# Altium PCB RMP_MAIN_PCB.PcbDoc (part 1 of 2) (continued)
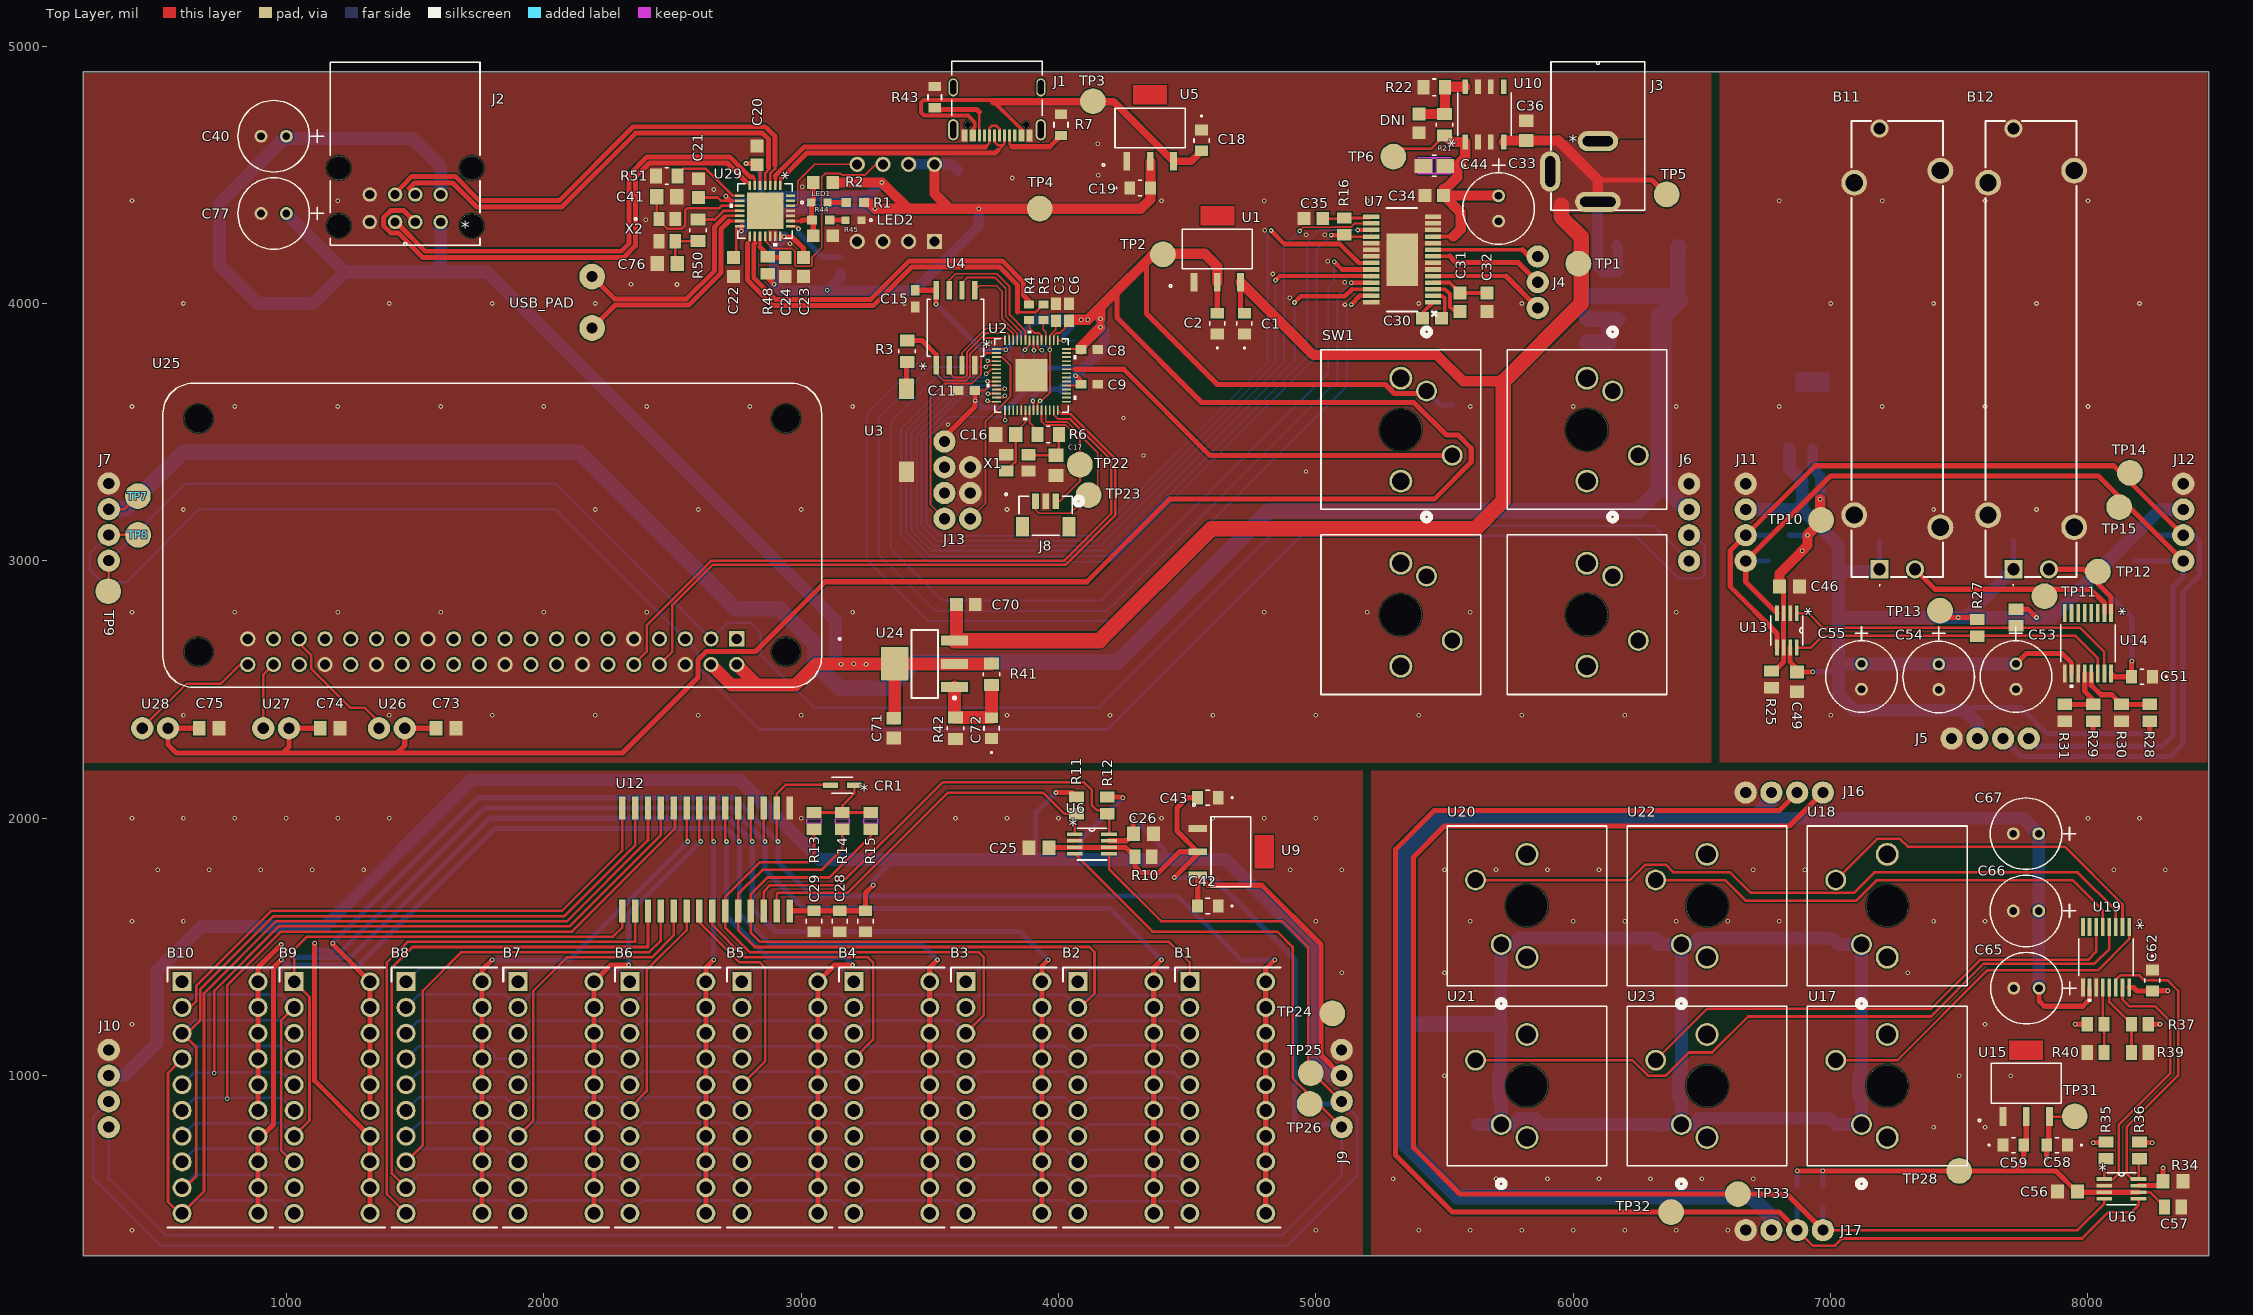
[diagram p0: Top Layer view]
## Components (designator, comment, footprint, x,y, rotation, side; value= is the part's Value field where it differs from the comment) (continued)
USB_PAD "USB_PAD" USB_PAD 2188,3905 r0 top
X1 "ABM8-272-T3" ABM8-272-T3_ABR 3840,3381 r90 top
X2 "ABM8-272-T3" ABM8-272-T3_ABR 2479.72,4285.05 r0 top

## Footprints (in the part's own frame and the unit in brackets; to place one, negate y for a bottom-side part, rotate by r counter-clockwise, add the part's x,y. Pads: shape width x height; smd on the part's side, far side on the other; paste and mask are expansions set on the pad)
2PINHEADER [mm]
  round 2.2 hole 1.1: 1(0,0) 2(0,-2.54)
3PINHEADER [mm]
  round 2.2 hole 1.1: 1(0,0) 2(0,-2.54) 3(0,-5.08)
"4 PIN HEADER" [mm]
  round 2.2 hole 1.1: 1(0,0) 2(0,-2.54) 3(0,-5.08) 4(0,-7.62)
8PinHeader [mm]
  round 2.2 hole 1.1: 1(0,0) 2(0,-2.54) 3(0,-5.08) 4(0,-7.62) 5(2.54,-7.62) 6(2.54,-5.08) 7(2.54,-2.54)
ABM8-272-T3_ABR [mm]
  rect 1.1x1.4 smd paste+0 mask+0: 1(-0.8,1.1) 2(-0.8,-1.1) 3(0.8,-1.1) 4(0.8,1.1)
  silkscreen extent -3.23,0.97 -2.97,1.23, body extent -1.35,-1.7 1.35,1.7, height 0.76
AMPHENOL_12402012E212A [mm]
  rect 0.6x1.14 smd: A1-B12(-3.2,4.75) A4-B9(-2.4,4.75) B1-A12(3.2,4.75) B4-A9(2.4,4.75)
  rect 0.3x1.14 smd: A5(-1.25,4.75) A6(-0.25,4.75) A7(0.25,4.75) A8(1.25,4.75) B5(1.75,4.75) B6(0.75,4.75) B7(-0.75,4.75) B8(-1.75,4.75)
  oval 1.05x2.1 hole 0.6 slot 1.7 at 90 deg: SH1(-4.32,4.18) SH2(4.32,4.18)
  oval 0.9x1.8 hole 0.6 slot 1.4 at 90 deg: SH3(-4.32,0) SH4(4.32,0)
  round 0.65 hole 0.65 unplated: ""(-2.89,3.68) ""(2.89,3.68)
  silkscreen extent -4.47,-2.6 4.47,2.81, body extent -4.47,-2.54 4.47,5.06, height 3.23
CAP_CC0805_YAG-M [mil]
  rect 52x59 smd paste+0 mask+0: 1(-39.31,0) 2(39.31,0)
  body extent -43,-29 43,29, height 57
CAP_CL21_SAM-M [mil]
  rect 41.69x51.21 smd paste+0 mask+0: 1(-40.53,0) 2(40.53,0)
  silkscreen extent -7,-30 7,30, body extent -39,-25 39,25, height 53
CAP_CL21B105KAFNNNE_SAM-M [mil]
  rect 50x55 smd paste+0 mask+0: 1(-38.5,0) 2(38.5,0)
  body extent -41,-26 41,26, height 53
CAP_YX_6P3X11_RUB [mil]
  round 50 / inner round 60 / far side round 50 hole 30 paste-99999 mask+0: 1(0,0) 2(98.43,0)
  silkscreen extent -145,-139 188,139, body extent -85,-134 184,134, height 493
CAPC17595_90N_KEM-M [mil]
  rect 47.59x39.4 smd paste+0 mask+0: 1(-32.65,0) 2(32.65,0)
  body extent -34,-19 34,19, height 35
CC0603N_YAG-M [mil]
  rect 42x34 smd paste+0 mask+0: 1(-32.5,0) 2(32.5,0)
  body extent -31,-16 31,16, height 28
CC0805N_YAG-M [mil]
  rect 50x50 smd paste+0 mask+0: 1(-36.5,0) 2(36.5,0)
  body extent -39,-24 39,24, height 28
CONN_AU-Y1008-2_ASM [mil]
  round 56 / inner round 60 / far side round 56 hole 36 paste-99999 mask+0: 1(0,0) 2(98.43,0) 3(177.17,0) 4(275.59,0) 5(0,-106.69) 6(98.43,-106.69) 7(177.17,-106.69) 8(275.59,-106.69)
  round 91 / inner round 60 / far side round 91 hole 91 unplated paste-99999 mask-45.5: 9(-120.87,-209.84) 10(396.46,-209.84) 11(-120.87,13.78) 12(396.46,13.78)
  silkscreen extent -153,-621 428,90, body extent -165,-616 441,73, height 636
CONN_BM03B-SRSS-TBLFSN_JST [mil]
  rect 26x61 smd paste+0 mask+0: 1(39.37,56.24) 2(0,56.24) 3(-39.37,56.24)
  rect 51x75 smd paste-37.5 mask-37.5: 4(-90.55,-43.17) 5(90.55,-43.17)
  silkscreen extent -104,-76 144,76, body extent -98,-71 98,71, height 167
CR_SOD323_MCC-M [mil]
  rect 58x20 smd paste+0 mask+0: 1(-46.5,0) 2(46.5,0)
  silkscreen extent -41,-32 41,32, body extent -54,-26 54,26, height 45
DCT8 [mil]
  rect 61.5x14 smd paste-30.75 mask-31: 1(-66.75,38.39) 2(-66.75,12.8) 3(-66.75,-12.8) 4(-66.75,-38.39) 5(66.75,-38.39) 6(66.75,-12.8) 7(66.75,12.8) 8(66.75,38.39)
  silkscreen extent -57,-62 57,62, body extent -84,-62 84,62, height 51
DCY0004A_M [mm]
  rect 2.7x1 smd paste-0.102 mask+0.051: 1(-2.95,2.3) 2(-2.95,0) 3(-2.95,-2.3)
  rect 2.7x3.3 smd paste-0.102 mask+0.051: 4(2.95,0)
  silkscreen extent -3.07,-3.35 1.3,3.47, body extent -3.5,-3.25 3.5,3.25, height 1.68
DIPS750W75P254L2540H825Q20N [mm]
  rect 1.875x1.875 / inner round 1.875 / far side rect 1.875x1.875 hole 1.25: 1(0,0)
  round 1.875 hole 1.25: 2(0,-2.54) 3(0,-5.08) 4(0,-7.62) 5(0,-10.16) 6(0,-12.7) 7(0,-15.24) 8(0,-17.78) 9(0,-20.32) 10(0,-22.86) 11(7.5,-22.86) 12(7.5,-20.32) 13(7.5,-17.78) 14(7.5,-15.24) 15(7.5,-12.7) 16(7.5,-10.16) 17(7.5,-7.62) 18(7.5,-5.08) 19(7.5,-2.54) 20(7.5,0)
  silkscreen extent -1.46,-24.26 8.96,1.4, body extent -1.4,-24.13 8.76,1.27, height 8
FP-RT0805-MFG [mm]
  rect 0.9x1.2 smd paste+0 mask+0: 1(-1.05,0) 2(1.05,0)
  silkscreen extent -0.23,-0.67 0.23,0.67, body extent -1.6,-0.77 1.6,0.77, height 0.25
G-21_MUR-M [mil]
  rect 42x51 smd paste+0 mask+0: 1(-40.5,0) 2(40.5,0)
  silkscreen extent -97,-30 7,30, body extent -39,-24 39,24, height 57
KNOB_SWITCHES [mil]
  round 81 / inner round 60 / far side round 81 hole 61 paste-99999 mask+0: 1(-150,100) 2(100,200) ""(-150,823) ""(100,923) ""(569,823) ""(569,100) ""(819,923) ""(819,200)
  round 161 / inner round 60 / far side round 161 hole 161 unplated paste-99999 mask-80.5: 3(0,0) ""(0,723) ""(719,723) ""(719,0)
  round 89 / inner round 60 / far side round 89 hole 69 paste-99999 mask-44.5: 4(-200,0) 5(200,0) ""(-200,723) ""(200,723) ""(519,723) ""(519,0) ""(919,723) ""(919,0)
  silkscreen extent -395,-310 1029,1033, body extent -275,-308 994,1029, height 604
LED_B1931NG_HVK [mil]
  rect 32x30 smd paste+0 mask+0: 1(-31.5,0) 2(31.5,0)
  silkscreen extent -72,-5 -62,5, body extent -31,-16 31,16, height 16
MODULE_RASPBERRY_PI_ZERO_2_W [mm]
  rect 1.508x1.508 / inner round 1.508 / far side rect 1.508x1.508 hole 1: 1(-24.13,10.23)
  round 1.508 hole 1: 2(-24.13,12.77) 3(-21.59,10.23) 4(-21.59,12.77) 5(-19.05,10.23) 6(-19.05,12.77) 7(-16.51,10.23) 8(-16.51,12.77) 9(-13.97,10.23) 10(-13.97,12.77) 11(-11.43,10.23) 12(-11.43,12.77) 13(-8.89,10.23) 14(-8.89,12.77) 15(-6.35,10.23) 16(-6.35,12.77) 17(-3.81,10.23) 18(-3.81,12.77) 19(-1.27,10.23) 20(-1.27,12.77) 21(1.27,10.23) 22(1.27,12.77) 23(3.81,10.23) 24(3.81,12.77) 25(6.35,10.23) 26(6.35,12.77) 27(8.89,10.23) 28(8.89,12.77) 29(11.43,10.23) 30(11.43,12.77) 31(13.97,10.23) 32(13.97,12.77) 33(16.51,10.23) 34(16.51,12.77) 35(19.05,10.23) 36(19.05,12.77) 37(21.59,10.23) 38(21.59,12.77) 39(24.13,10.23) 40(24.13,12.77)
  round 2.75 hole 2.75 unplated: ""(-29,-11.5) ""(-29,11.5) ""(29,-11.5) ""(29,11.5)
  silkscreen extent -34.39,-15 32.5,15
PDIP8_300MC_MCH [mil]
  rect 59x59 / inner round 60 / far side rect 59x59 hole 39 paste-99999 mask+0: 1(0,0)
  round 59 / inner round 60 / far side round 59 hole 39 paste-99999 mask+0: 2(0,-100) 3(0,-200) 4(0,-300) 5(300,-300) 6(300,-200) 7(300,-100) 8(300,0)
  silkscreen extent 5,-355 295,55, body extent -5,-350 315,50, height 215
PJ-002B_CUI [mm]
  oval 4.5x2 hole 1 slot 3.5 at 0 deg paste-2539.97 mask+0: 1(0,0)
  oval 4x2 hole 1 slot 3 at 0 deg paste-2539.97 mask+0: 2(0,6)
  oval 2x4 hole 1 slot 3 at 90 deg paste-2539.97 mask+0: 3(-4.7,3)
  silkscreen extent -4.62,-0.83 4.62,13.83, body extent -4.9,-0.7 4.5,13.7, height 11.01
PTA30432010CIB103 [mm]
  rect 1.8x1.8 hole 1.2: 1(0,0)
  round 1.8 hole 1.2: 2(0,-3.5) 3(43.5,0)
  round 2.55 hole 1.7: MH1(5.35,2.5) MH2(4.15,-6) MH3(39.35,-6) MH4(38.15,2.5)
  silkscreen extent -1.6,-6.25 44.25,2.75, body extent -0.76,-6.48 44.44,2.92, height 17
"PTS636SM43SMTR LFS" [mm] "SWITCH TACTILE SPST-NO 0.05A 12V"
  rect 2x1.5 smd: 1(1,0) 2(9.2,0)
  body extent 0.8,-1.75 9.4,1.75, height 4.3
PW16-M [mil]
  rect 70x14 smd paste+0 mask+0: 1(-117,89.57) 2(-117,63.98) 3(-117,38.39) 4(-117,12.8) 5(-117,-12.8) 6(-117,-38.39) 7(-117,-63.98) 8(-117,-89.57) 9(117,-89.57) 10(117,-63.98) 11(117,-38.39) 12(117,-12.8) 13(117,12.8) 14(117,38.39) 15(117,63.98) 16(117,89.57)
  silkscreen extent -72,-106 172,106, body extent -130,-101 130,101, height 47
PWP0028F_M [mm]
  rect 1.6x0.45 smd paste+0 mask+0.051: 1(-3.05,4.225) 2(-3.05,3.575) 3(-3.05,2.925) 4(-3.05,2.275) 5(-3.05,1.625) 6(-3.05,0.975) 7(-3.05,0.325) 8(-3.05,-0.325) 9(-3.05,-0.975) 10(-3.05,-1.625) 11(-3.05,-2.275) 12(-3.05,-2.925) 13(-3.05,-3.575) 14(-3.05,-4.225) 15(3.05,-4.225) 16(3.05,-3.575) 17(3.05,-2.925) 18(3.05,-2.275) 19(3.05,-1.625) 20(3.05,-0.975) 21(3.05,-0.325) 22(3.05,0.325) 23(3.05,0.975) 24(3.05,1.625) 25(3.05,2.275) 26(3.05,2.925) 27(3.05,3.575) 28(3.05,4.225)
  rect 3.1x5.18 smd paste+0 mask+0.051: 29(0,0)
  silkscreen extent -3.37,-5.08 1.52,5.52, body extent -3.2,-4.85 3.2,4.85, height 1.13
QFN56_7X7_RPI-M [mil]
  rect 36x7 smd paste+0 mask+0: 1(-136,102.36) 2(-136,86.61) 3(-136,70.87) 4(-136,55.12) 5(-136,39.37) 6(-136,23.62) 7(-136,7.87) 8(-136,-7.87) 9(-136,-23.62) 10(-136,-39.37) 11(-136,-55.12) 12(-136,-70.87) 13(-136,-86.61) 14(-136,-102.36) 29(136,-102.36) 30(136,-86.61) 31(136,-70.87) 32(136,-55.12) 33(136,-39.37) 34(136,-23.62) 35(136,-7.87) 36(136,7.87) 37(136,23.62) 38(136,39.37) 39(136,55.12) 40(136,70.87) 41(136,86.61) 42(136,102.36)
  rect 7x36 smd paste+0 mask+0: 15(-102.36,-136) 16(-86.61,-136) 17(-70.87,-136) 18(-55.12,-136) 19(-39.37,-136) 20(-23.62,-136) 21(-7.87,-136) 22(7.87,-136) 23(23.62,-136) 24(39.37,-136) 25(55.12,-136) 26(70.87,-136) 27(86.61,-136) 28(102.36,-136) 43(102.36,136) 44(86.61,136) 45(70.87,136) 46(55.12,136) 47(39.37,136) 48(23.62,136) 49(7.87,136) 50(-7.87,136) 51(-23.62,136) 52(-39.37,136) 53(-55.12,136) 54(-70.87,136) 55(-86.61,136) 56(-102.36,136)
  rect 126x126 smd paste-63 mask+0: 57(0,0)
  silkscreen extent -174,-174 174,174, body extent -138,-138 138,138, height 35
QFN-28-M [mil]
  rect 36x10 smd paste+0 mask+0: 1(-98.5,59.06) 2(-98.5,39.37) 3(-98.5,19.68) 4(-98.5,0) 5(-98.5,-19.68) 6(-98.5,-39.37) 7(-98.5,-59.06) 15(98.5,-59.06) 16(98.5,-39.37) 17(98.5,-19.68) 18(98.5,0) 19(98.5,19.68) 20(98.5,39.37) 21(98.5,59.06)
  rect 10x36 smd paste+0 mask+0: 8(-59.06,-98.5) 9(-39.37,-98.5) 10(-19.69,-98.5) 11(0,-98.5) 12(19.69,-98.5) 13(39.37,-98.5) 14(59.06,-98.5) 22(59.06,98.5) 23(39.37,98.5) 24(19.69,98.5) 25(0,98.5) 26(-19.69,98.5) 27(-39.37,98.5) 28(-59.06,98.5)
  rect 142x142 smd paste-71 mask+0: 29(0,0)
  silkscreen extent -106,-136 136,106, body extent -101,-101 101,101, height 32
RC0603N_YAG-M [mil]
  rect 38x34 smd paste+0 mask+0: 1(-34.5,0) 2(34.5,0)
  body extent -31,-16 31,16, height 28
RC0805N_YAG-M [mil]
  rect 48x49 smd paste+0 mask+0: 1(-37.5,0) 2(37.5,0)
  body extent -39,-24 39,24, height 28
RES_RNCF0805_STP-M [mil]
  rect 46x57 smd paste+0 mask+0: 1(-41.5,0) 2(41.5,0)
  silkscreen extent -6,-32 6,32, body extent -43,-27 43,27, height 26
RESC1508X55N [mm]
  rect 0.81x0.98 smd: 1(-0.771,0) 2(0.771,0)
  body extent -0.77,-0.41 0.77,0.44, height 0.45
SO8B_4X5X1P27_STM [mil]
  rect 57.5x22 smd paste+0 mask+0: 1(-107.25,75) 2(-107.25,25) 3(-107.25,-25) 4(-107.25,-75) 5(107.25,-75) 6(107.25,-25) 7(107.25,25) 8(107.25,75)
  silkscreen extent -84,-104 84,104, body extent -122,-99 122,99, height 69
SOIC_128JVSIQ_WIN-M [mil]
  rect 72x21 smd paste+0 mask+0: 1(-145.5,75) 2(-145.5,25) 3(-145.5,-25) 4(-145.5,-75) 5(145.5,-75) 6(145.5,-25) 7(145.5,25) 8(145.5,75)
  silkscreen extent -110,-110 110,110, body extent -159,-105 159,105, height 85
SOP-28-300mil [mil]
  rect 90x25 smd: 1(-190,395) 2(-190,345) 3(-190,295) 4(-190,245) 5(-190,195) 6(-190,145) 7(-190,95) 8(-190,45) 9(-190,-5) 10(-190,-55) 11(-190,-105) 12(-190,-155) 13(-190,-205) 14(-190,-255) 15(210,-255) 16(210,-205) 17(210,-155) 18(210,-105) 19(210,-55) 20(210,-5) 21(210,45) 22(210,95) 23(210,145) 24(210,195) 25(210,245) 26(210,295) 27(210,345) 28(210,395)
SOT223-3_ONS-M [mil]
  rect 26x73 smd paste+0 mask+0: 1(-90.5,-129) 2(0,-129) 3(90.5,-129)
  Top Layer region: 65,92.5 65,165.5 -65,165.5 -65,92.5
  silkscreen extent -186,-148 136,78, body extent -131,-144 131,144, height 68
STA_RNCP0805_STP-M [mil]
  rect 44x57 smd paste+0 mask+0: 1(-32.5,0) 2(32.5,0)
  body extent -43,-27 43,27, height 24
"STA_RNCP0805_STP-M - duplicate" [mil]
  rect 44x57 smd paste+0 mask+0: 1(-32.5,0) 2(32.5,0)
  Top Layer keep-out region: -8.5,-25.5 -8.5,25.5 8.5,25.5 8.5,-25.5
  Keep-Out Layer region: -8.5,-27.5 -8.5,27.5 8.5,27.5 8.5,-27.5
  body extent -43,-27 43,27, height 24
SW_MX1A-E1NW_CHY [mil]
  round 81 / inner round 60 / far side round 81 hole 61 paste-99999 mask+0: 1(0,0) 2(250,100)
  round 161 / inner round 60 / far side round 161 hole 161 unplated paste-99999 mask-80.5: 3(150,-100)
  round 89 / inner round 60 / far side round 89 hole 69 paste-99999 mask-44.5: 4(-50,-100) 5(350,-100)
  silkscreen extent -245,-410 460,210, body extent -125,-408 425,206, height 604
TAJA_AVX-M [mil]
  rect 68.44x55 smd paste+0 mask+0: 1(-42.78,0) 2(42.78,0)
  Top Layer keep-out region: -6.56,-29.5 -6.56,29.5 6.56,29.5 6.56,-29.5
  Top Layer keep-out region: -65,29.5 -65,33.5 65,33.5 65,29.5
  Top Layer keep-out region: -65,-33.5 -65,-29.5 65,-29.5 65,-33.5
  Keep-Out Layer region: -6.56,-29.5 -6.56,29.5 6.56,29.5 6.56,-29.5
  silkscreen extent -120,-40 7,40, body extent -67,-36 67,36, height 73
TESTPOINT#1 [mil]
  round 100 smd: 1(0,0)
TESTPOINT#2 [mil]
  round 100 smd far side: 1(0,0)
Testpoint [mil]
  round 100 smd: 1(0,0)
USB_PAD [mil]
  round 100 hole 43: 1(0,0) 2(0,200)

## Part data
B1 B2 B3 B4 B5 B6 B7 B8 B9 B10: "BARGRAPH 10-SEGMENT BLUE", Manufacturer_Name=SunLED, Datasheet Link=https://www.sunledusa.com/products/spec/XGCBDX10D.pdf, Geometry.Height=8.25mm, Manufacturer_Part_Number=XGCBDX10D
B11 B12: "10 kOhms 0.2W, 1/5W Through Hole Slide Potentiometer Top Adjustment Type", Manufacturer_Name=Bourns, Mouser Part Number=652-PTA3432010CIB103, Arrow Part Number=PTA3043-2010CIB103, Arrow Price/Stock=null?utm_currency=USD&region=nac, Datasheet Link=https://www.bourns.com/docs/Product-Datasheets/pta.pdf, Geometry.Height=16.5mm, Manufacturer_Part_Number=PTA3043-2010CIB103, Mouser Price/Stock=https://www.mouser.co.uk/ProductDetail/Bourns/PTA3043-2010CIB103?qs=QARuOjD9jaF0iQfIvhCxcQ%3D%3D
C1 C2 C18 C19 C39 C42 C43 C47 C48 C50 C51 C52 C58 C59 C62 C72: library part CAP_GRM21BR61C106KE15K, "10 µF ±10% 16V Ceramic Capacitor X5R 0805 (2012 Metric)", Mfr_Name=Murata
C3 C6: library part CAP_C0603C105K4RACTU, "1 µF ±10% 16V Ceramic Capacitor X7R 0603 (1608 Metric)", Mfr_Name=Kemet
C4 C5 C7 C8 C9 C10 C11 C12 C13 C14 C15: library part CAP_CC0603KRX7R7BB104, "0.1 µF ±10% 16V Ceramic Capacitor X7R 0603 (1608 Metric)", Mfr_Name=Yageo
C16 C17 C41 C76: library part CAP_CC0805FRNPO9BN150, "15 pF ±1% 50V Ceramic Capacitor C0G, NP0 0805 (2012 Metric)", Mfr_Name=Yageo
C20 C21 C22 C23 C24 C31 C32 C34 C37 C45 C70 C78 DNI: library part CAP_CC0805KRX7R9BB104, "0.1 µF ±10% 50V Ceramic Capacitor X7R 0805 (2012 Metric)", Mfr_Name=Yageo
C25 C26 C36 C38 C46 C49 C56 C57 C60 C61 C63 C64 C68 C69 C71 C73 C74 C75: library part CAP_CL21B105KAFNNNE, "1 µF ±10% 25V Ceramic Capacitor X7R 0805 (2012 Metric)", Mfr_Name=Samsung
C27 C28 C29: library part CAP_CL21A106KOQNNNE, "10 µF ±10% 16V Ceramic Capacitor X5R 0805 (2012 Metric)"
C30: library part CAP_CC0805KRX7R9BB153, "0.015 µF ±10% 50V Ceramic Capacitor X7R 0805 (2012 Metric)", Mfr_Name=Yageo
C33 C40 C53 C54 C55 C65 C66 C67 C77: library part CAP_35YXJ100M6.3X11, "CAP ALUM 100UF 20% 35V RADIAL TH", Mfr_Name=Rubycon
C35: library part CAP_CC0805KKX7R8BB474, "0.47 µF ±10% 25V Ceramic Capacitor X7R 0805 (2012 Metric)", Mfr_Name=Yageo
C44: library part CAP_TAJA475K016RNJ, "4.7 µF Molded Tantalum Capacitors 16 V 1206 (3216 Metric) 4Ohm", Mfr_Name="KYOCERA AVX"
CR1: "No Description Available", Mfr_Name=MCC
J1: "CONN RCP USB2.0 TYP C 24P SMD RA", Mfr_Name="Amphenol ICC", RefDes=RefDes, Type=Type
J2: "No Description Available", Mfr_Name=Assmann, RefDes=RefDes, Type=Type
J3: "Power Barrel Connector Jack 2.50mm ID (0.098\"), 5.50mm OD (0.217\") Through Hole, Right Angle", Mfr_Name="CUI Inc", RefDes=RefDes, Type=Type
J4: "BLDC motor header"
J8: "No Description Available", Mfr_Name=JST, RefDes=RefDes, Type=Type
LED1 LED2: library part LED_B1931NG--20D001114U1930, "Green 525nm LED Indication - Discrete 3.3V 0603 (1608 Metric)", Mfr_Name=Harvatek, Type="LED Indication"
  LED1: Parameter 1=DNI
R1 R44: library part RES_RC0603FR-07169RL, "169 Ohms ±1% 0.1W, 1/10W Chip Resistor 0603 (1608 Metric) Moisture Resistant Thick Film", Mfr_Name=Yageo
R2 R45: library part RES_RC0805FR-07100KL, "100 kOhms ±1% 0.125W, 1/8W Chip Resistor 0805 (2012 Metric) Moisture Resistant Thick Film", Mfr_Name=Yageo
R3 R6 R21 R50: library part RES_RNCF0805DTE1K00, "1 kOhms ±0.5% 0.25W, 1/4W Chip Resistor 0805 (2012 Metric) Automotive AEC-Q200 Thin Film", Mfr_Name="Stackpole International"
R4 R5: library part RES_MCT06030C2742FP500, "27.4 kOhms ±1% 0.125W, 1/8W Chip Resistor 0603 (1608 Metric) Anti-Sulfur Thin Film", Mfr_Name="Stackpole International"
R7 R43: library part CMP-2001-01539-2, "RES SMD 5.1K OHM 1% 1/8W 0805", Manufacturer=Yageo, Package=RT0805, Power Rating=0.125W, Resistance=5.1KΩ, Temperature="-55°C to +155°C", Temperature Coefficient="50 ppm/°C", Temperature Range High=+155°C, Temperature Range Low=-55°C, Tolerance=0.0001, Voltage Rating=150V, Automotive=No, Category=Res, ComponentLink2Description=Datasheet, ComponentLink2URL=http://www.yageo.com/documents/recent/PYu-RT_1-to-0.01_RoHS_L_9.pdf, Composition="Thin Film", Device Class L1="Passive Components", Device Class L2=Resistors, Device Class L3="Chip SMD Resistors", Digikey Description="RES SMD 5.1K OHM 1% 1/8W 0805", Footprint Url=http://www.yageo.com/exep/pages/download/literatures/PYu-R_Mount_10.pdf, Height=0.6mm, Ipc Land Pattern Name=RESC200125X50, Lead Free=Yes, Manufacturer Part Number=RT0805FRE075K1L, Mouser Description="Res Thin Film 0805 5.1K Ohm 1% 1/8W ±50ppm/°C Molded SMD SMD Paper T/R", Octopart=https://octopart.com/rt0805fre075k1l-yageo-1396245, RoHS=TRUE, Series=RT
R8 R9: library part CMP-03412-025396-1, "RT0805 4.7KΩ 0.125W 50 ppm/°C 0.01%", Manufacturer=Yageo, Package=RT0805, Power Rating=0.125W, Resistance=4.7KΩ, Temperature="-55°C to +155°C", Temperature Coefficient="50 ppm/°C", Temperature Range High=+155°C, Temperature Range Low=-55°C, Tolerance=0.0001, Voltage Rating=150V, Automotive=No, Category=Res, ComponentLink2Description=Datasheet, ComponentLink2URL=http://www.yageo.com/documents/recent/PYu-RT_1-to-0.01_RoHS_L_9.pdf, Composition="Thin Film", Device Class L1="Passive Components", Device Class L2=Resistors, Device Class L3="Chip SMD Resistors", Footprint Url=http://www.yageo.com/exep/pages/download/literatures/PYu-R_Mount_10.pdf, Height=0.6mm, Ipc Land Pattern Name=RESC200125X50, Lead Free=Yes, Manufacturer Part Number=RT0805FRE134K7L, Octopart=https://octopart.com/rt0805fre134k7l-yageo-16262042, RoHS=TRUE, Series=RT
R10 R11 R12 R16 R25 R26 R27 R28 R29 R30 R31 R34 R35 R36 R37 R38 R39 R40 R47 R48 R49: library part RES_RNCP0805FTD10K0, "10 kOhms ±1% 0.25W, 1/4W Chip Resistor 0805 (2012 Metric) Anti-Sulfur Thin Film", Supplier Part Number 1=RNCP0805FTD10K0CT-ND, Supplier 1=Digikey
R13 R14 R15: library part RES_RNCP0805FTD40K2, "40.2 kOhms ±1% 0.25W, 1/4W Chip Resistor 0805 (2012 Metric) Anti-Sulfur Thin Film", Mfr_Name="Stackpole International"
R17 R41: library part RES_RNCF0805DTE120R, "120 Ohms ±0.5% 0.25W, 1/4W Chip Resistor 0805 (2012 Metric) Automotive AEC-Q200 Thin Film", Mfr_Name="Stackpole International"
R18 R42: library part RES_RNCF0805DTE360R, "360 Ohms ±0.5% 0.25W, 1/4W Chip Resistor 0805 (2012 Metric) Automotive AEC-Q200 Thin Film", Mfr_Name="Stackpole International"
R19 R20 R23 R24 R32 R33: library part CMP-03412-025396-1, "RT0805 4.7KΩ 0.125W 50 ppm/°C 0.01%", Manufacturer=Yageo, Package=RT0805, Power Rating=0.125W, Resistance=DNI, Temperature="-55°C to +155°C", Temperature Coefficient="50 ppm/°C", Temperature Range High=+155°C, Temperature Range Low=-55°C, Tolerance=0.0001, Voltage Rating=150V, Automotive=No, Category=Res, ComponentLink2Description=Datasheet, ComponentLink2URL=http://www.yageo.com/documents/recent/PYu-RT_1-to-0.01_RoHS_L_9.pdf, Composition="Thin Film", Device Class L1="Passive Components", Device Class L2=Resistors, Device Class L3="Chip SMD Resistors", Footprint Url=http://www.yageo.com/exep/pages/download/literatures/PYu-R_Mount_10.pdf, Height=0.6mm, Ipc Land Pattern Name=RESC200125X50, Lead Free=Yes, Manufacturer Part Number=RT0805FRE134K7L, Octopart=https://octopart.com/rt0805fre134k7l-yageo-16262042, RoHS=TRUE, Series=RT
R22: library part RES_RNCF0805DTE5K60, "5.6 kOhms ±0.5% 0.25W, 1/4W Chip Resistor 0805 (2012 Metric) Automotive AEC-Q200 Thin Film", Mfr_Name="Stackpole International"
R51: library part RES_RLC73K2AR649FTD, "649 mOhms ±1% 0.125W, 1/8W Chip Resistor 0805 (2012 Metric) Current Sense Thick Film", Mfr_Name="Stackpole International"
SW1: "No Description Available", Mfr_Name=Cherry
U1 U5 U9 U11 U15: "Linear Voltage Regulator IC Positive Fixed 1 Output 1A SOT-223", Mfr_Name=onsemi, RefDes=RefDes, Type=Type
U2: "ARM® Cortex®-M0+ - Microcontroller IC 32-Bit Dual-Core 133MHz External Program Memory 56-QFN (7x7)", Mfr_Name="Raspberry Pi", RefDes=RefDes, Type=Embedded
U3: "Tactile Switch SPST-NO Top Actuated Surface Mount"
U4: "FLASH - NOR Memory IC 128Mbit SPI - Quad I/O, QPI 133 MHz 8-SOIC", Mfr_Name=Winbond, RefDes=RefDes, Type=Type
U6 U13 U16: "Voltage Level Translator Bidirectional 1 Circuit 2 Channel 24Mbps SM8", Mfr_Name="Texas Instruments", RefDes=RefDes, Type=Type
U7: "IC MOTOR DRIVER 8V-60V 28HTSSOP", Mfr_Name="Texas Instruments", RefDes=RefDes, Type=TYPE
U8 U24: "Linear Voltage Regulator IC Positive Adjustable 1 Output 1.5A SOT-223-4", Alternate_PartNumber=LM317DCY, Manufacturer="Texas Instruments", CompType=IC, Mfr_Name="Texas Instruments", MountType=SMT, PackageReference=DCY0004A, PartNumber=LM317DCYR, RefDes=RefDes, RoHS=Y, SymbolCreater=Altium, Type=TYPE
U10: "Linear Voltage Regulator IC Positive Adjustable 1 Output 1.2A 8-SO", Mfr_Name=STMicroelectronics, RefDes=RefDes, Type=Type
U12: "16X8 LED MAtrix Driver"
U14 U19: "8 Bit Analog to Digital Converter 4, 8 Input 1 SAR 16-TSSOP", Mfr_Name="Texas Instruments", RefDes=RefDes, Type=Type
U17 U18 U20 U21 U22 U23: "mechanical switch"
U25: "At the heart of Raspberry Pi Zero 2 W is RP3A0, a custom-built system-in-package designed by Raspberry Pi in the UK.", Package=None, Check_prices=https://www.snapeda.com/parts/RASPBERRY%20PI%20ZERO%202%20W/Raspberry+Pi/view-part/?ref=eda, MF="Raspberry Pi", MP="RASPBERRY PI ZERO 2 W", SnapEDA_Link=https://www.snapeda.com/parts/RASPBERRY%20PI%20ZERO%202%20W/Raspberry+Pi/view-part/?ref=snap
U26 U27 U28: "connector for low profile mechanical switch"
U29: "USB Hub Controller USB 2.0 USB Interface 28-QFN (5x5)", Mfr_Name="Cypress Semiconductor", RefDes=RefDes, Type=Type
U30: "IC EEPROM 2KBIT I2C 1MHZ 8DIP", Mfr_Name=Microchip, RefDes=RefDes, Type=Type
X1 X2: "12 MHz ±30ppm Crystal 10pF 50 Ohms 4-SMD, No Lead", Mfr_Name=Abracon, RefDes=RefDes, Type=Crystals

## Via types
v1: diameter 18, hole 9, Top Layer to Bottom Layer, 264 vias
v2: diameter 16, hole 8, Top Layer to Bottom Layer, 5 vias

## Nets (pads, with @x,y where several pads share a name; then routed paths per layer and width w, separated by ;. In a path a pad name is that pad's centre, name@x,y a point inside that pad or via, vN(x,y) a via of type N, cw(c..) or ccw(c..) an arc to the next point about the centre after c; other vN are vias at no path point)
1.1V: C3.2 C4.2 C5.2 U2.23 U2.45 U2.50 | length 646.8
  Top Layer w7: v1(3870,3821) 3887.13,3838.13 U2.50@3887.13,3857 ; U2.23@3918.62,3585 3918.62,3611.98 v1(3928.34,3621.7) 3933.72,3621.7 3961.52,3649.5 3966.84,3654.82 3966.84,3819.16 v1(3966,3820) 3965.87,3820.13 U2.45@3965.87,3857 ; U2.45@3965.77,3857.09 3965.77,3875.02 3969.61,3878.86 3969.61,3879.05 3988.37,3897.81 3989.3,3897.81 3989.3,3931.76 C3.2@3991,3933.46
  Bottom Layer w7: C4.2@3860,3778.5 3860,3811 v1(3870,3821) 3871,3820 3875.67,3820 3893.17,3837.5 3906.83,3837.5 3908.33,3836 3921.67,3836 3923.17,3837.5 3936.83,3837.5 3938.33,3836 3950,3836 v1(3966,3820) ; v1(3928.34,3621.7) 3936.27,3613.76 3936.27,3564.77 C5.2@3935,3563.5
3.3V: C2.2 C6.1 C7.2 C8.2 C9.2 C10.2 C11.2 C12.2 C13.2 C14.2 C15.2 C45.2 C73.1 C74.1 C75.1 J13.1 SW1.1 TP2.1 U1.2 U2.1 U2.10 U2.22 U2.33 U2.42 U2.43 U2.44 U2.48 U2.49 U4.8 U26.1 U27.1 U28.1 | length 13535.9
  Top Layer w7: C11.2@3674.5,3662 3713,3662 3732.63,3681.63 U2.10@3759,3681.63 ; U2.1@3759,3823.36 3792.64,3823.36 v1(3795,3821) ; v1(3900.63,3621.49) 3902.75,3619.36 U2.22@3902.75,3585.12 ; U2.49@3902.85,3856.97 3902.85,3823.15 3904,3822 3904,3819.82 v1(3905,3818.82) ; U2.48@3918.66,3856.97 3918.66,3829.96 3927.43,3821.18 3933.82,3821.18 3935,3820 3934.76,3819.76 v1(3934.76,3818.87) ; U2.44@3981.61,3857 3981.61,3874.08 3993.34,3885.81 4007.12,3885.81 C6.1@4040.34,3919.03 ; U2.43@3997.36,3857 4019,3857 v1(4020,3856) ; U2.33@4031,3681.63 4083.13,3681.63 C9.2@4087.5,3686 ; U2.42@4031,3823.36 C8.2@4085.14,3823.36 ; C6.1@4040.34,3932.8 C6.1@4041,3933.46
  Top Layer w15: v1(4066,3719) 4072,3719 4087.5,3703.5 C9.2@4087.5,3686
  Top Layer w20: C75.1@661.5,2350 U28.1@540,2350 540,2286 572,2254 986,2254 ; C74.1@1131.5,2350 U27.1@1010,2350 1010,2278 986,2254 ; C73.1@1581.5,2350 U26.1@1460,2350 1460,2283 1431,2254 ; C15.2@3443,4051.5 U4.8@3525,4051.5 3524,4050.5 v1(3524,3997) ; J13.1@3557,3464 3557,3481 3676,3600 v1(3676,3623) 3676,3660.5 C11.2@3674.5,3662 ; 4227,4050 4227,3945 4556,3616 5380,3616 5507,3489 5553,3489 5604,3438 5604,3384 5460,3240 4431,3240 4110,2919 3094,2919 2823,2648 2631,2648 2599,2616 2599,2547 2306,2254 1431,2254 ; 4342,4165 4342,3961 4617.65,3685.35 5270.5,3685.35 5295.85,3660 5305.35,3650.5 5420.5,3650.5 SW1.1@5430,3660 ; C2.2@4617,3962.5 U1.2@4617,4083 ; 986,2254 1431,2254
  Top Layer w40: C6.1@4041,3933.46 4044.54,3937 v1(4089,3937) v1(4114,3937) 4163,3986 ; C8.2@4087.5,3821 4087.5,3832.5 v1(4163,3908) ; v1(4163,3941) 4163,3986 ; U1.2@4617,4083 4617,4145 4569,4193 4370,4193 4342,4165 4227,4050 4163,3986
  Bottom Layer w7: v1(3795,3821) 3810,3806 C12.2@3810,3778.5 ; C10.2@3890,3563.5 3890,3610.86 v1(3900.63,3621.49) ; C7.2@3905,3778.5 v1(3905,3818.82) ; v1(3934.76,3818.87) 3935.45,3819.55 3950,3805 C13.2@3950,3778.5 ; v1(4020,3856) C14.2@4062.5,3856
  Bottom Layer w20: v1(3524,3997) 3700,3821 v1(3795,3821) 3911,3937 ; v1(3676,3623) 3703,3596 3809,3596 3880,3667 3930,3667 ; v1(3900.63,3621.49) 3900.63,3637.63 3930,3667 ; C7.2@3905,3778.5 3934,3749.5 4097.5,3749.5 ; 4015,3667 3930,3667 ; v1(4020,3856) 4020,3876 v1@4081,3937 ; SW1.1@5430,3660 5483.5,3606.5 C45.2@5530,3606.5
  Bottom Layer w40: 3911,3937 4081,3937 v1(4089,3937) v1(4114,3937) ; 4015,3667 4066,3718 v1(4066,3719) 4067,3719 4097.5,3749.5 4179,3831 4179,3892 v1(4163,3908) v1(4163,3941)
3.3V_HUB: C19.2 C20.1 C21.1 C22.1 C23.1 C78.1 R1.1 R2.2 R47.2 R48.2 TP4.1 U5.2 U29.5 U29.9 U29.14 U29.21 U30.7 U30.8 | length 5299.5
  Top Layer w10: C21.1@2601.06,4411.93 2676.07,4411.93 2688.63,4399.37 U29.9@2761.5,4399.37 ; C22.1@2748.5,4178.23 2748.5,4300.94 U29.14@2761.5,4300.94 ; U29.5@2840.32,4458.5 2840.32,4538.66 2841.15,4539.5 C20.1@2841.15,4539.88
  Top Layer w20: v1(2707.36,4417.36) 2725.03,4399.68 ; v1(2768,4282) U29.14@2768,4300.63 ; v1(2786,4544) 2824.5,4544 C20.1@2829,4539.5 ; R48.2@2870.9,4116.23 2870.9,4099.1 v1(2895,4075) ; 2925,4261 2927,4259 v1(2935,4259) 2965,4259 3009.2,4214.8 C23.1@3009.2,4178.23 ; U5.2@4356,4553 U5.2@4357.5,4551.5
  Top Layer w40: R2.2@3122.38,4470.44 v1(3313.56,4470.44) 3416,4368 v1(3287.07,4368) 3262.07,4393 R1.1@3248,4393 ; 3427.12,4368 3578,4368 ; U30.8@3518,4541 3518,4428 3578,4368 ; U5.2@4357.5,4551.5 C19.2@4357.5,4449 4357.5,4405.5 4320,4368 v1(3690,4368) 3578,4368
  Bottom Layer w20: v1(2707.36,4417.36) 2723.72,4401 2821,4401 ; v1(2786,4544) 2805,4544 2840,4509 2840,4442.05 2865.05,4417 2882,4417
  Bottom Layer w40: v1(2768,4282) 2854,4368 ; 2821,4401 2854,4368 ; 2882,4417 3260.12,4417 v1(3313.56,4470.44) ; v1(2935,4259) 2895,4219 v1(2895,4075) 2920,4050 3103.22,4050 v1@3103.34,4050.11 ; v1@3102.89,4050.11 v1@3103.34,4050.11 ; R47.2@3154.49,4116.23 3154.49,4101.27 v1@3103.34,4050.11 ; v1(3287.07,4368) 2854,4368 ; U30.7@3418,4541 U30.8@3518,4541 3584.5,4541 C78.1@3610,4515.5 ; v1(3690,4368) 3690,4301 3439.11,4050.11 v1@3103.34,4050.11
  other v1: 3101,4052
3.3V_LM: C25.1 C43.2 R8.1 R9.1 R10.1 U6.3 U6.6 U9.2 | length 2351.2
  Top Layer w20: C25.1@3964.46,1887.2 U6.3@4063.25,1887.2 U6.6@4196.75,1887.2 4260.3,1887.2 R10.1@4297.5,1850 4297.5,1812.5 4320,1790 4390,1790 4470,1870 U9.2@4541,1870 ; v1(4450,1770) 4541,1861 U9.2@4541,1870 ; C43.2@4539.5,2080 4500,2080 4460,2040 4460,1951 U9.2@4541,1870
  Bottom Layer w20: v1(4450,1770) 4600,1770 4918.66,1451.34 R8.1@4918.66,890 R9.1@4918.66,810
3.3V_MM: C56.1 C59.2 R32.1 R33.1 R34.1 TP28.1 U15.2 U16.3 U16.6 | length 1844.5
  Top Layer w10: U16.6@8196.75,547.2 8240.3,547.2 R34.1@8297.5,490
  Top Layer w20: v1(6870,630) v1(6970,630) TP28.1@7500,630 7710,630 7750.5,670.5 C59.2@7750.5,730 7760,739.5 U15.2@7760,841 ; 7700,630 7875.7,630 7958.5,547.2 U16.3@8063.25,547.2 U16.6@8196.75,547.2
  Bottom Layer w20: R32.1@6870,571.34 v1(6870,630) ; R33.1@6970,571.34 v1(6970,630)
3V_SM: C46.1 C48.2 R23.1 R24.1 R25.1 TP10.1 U11.2 U13.3 U13.6 | length 1108.9
  Top Layer w20: R25.1@6770,2572.5 6782.5,2572.5 6817.2,2607.2 U13.6@6817.2,2663.25 U13.3@6817.2,2796.75 6817.2,2884.3 C46.1@6801.5,2900
  Top Layer w40: C46.1@6801.5,2900 6801.5,2950 6890,3038.5 v1(6890,3040) 6910,3060 v1(6910,3100) 6960,3150 v1(6960,3240)
  Bottom Layer w20: R24.1@6841.34,3000 6850,3000 v1(6890,3040) ; R23.1@6841.34,3100 v1(6910,3100)
  Bottom Layer w30: v1@6959.5,3240.5 v1(6960,3240)
  Bottom Layer w40: U11.2@6930,3436 6930,3359.5 C48.2@6959.5,3330 v1@6959.5,3240.5
12V_IN: C1.2 C36.2 C37.2 C70.2 J3.1 TP1.1 TP5.1 U1.3 U8.3 U10.4 U24.3 | length 6363.6
  Top Layer w20: U1.3@4707.5,4083 4707.5,3977 C1.2@4722,3962.5 ; 6095.5,4480.5 6306.5,4480.5 TP5.1@6363,4424
  Top Layer w40: U1.3@4707.5,4083 4904.5,3886 4990.5,3800 5470,3800 5572.46,3697.54 5728.29,3697.54 ; U10.4@5730,4627.75 5735.46,4633.21 C36.2@5817.25,4633.21 5941.21,4633.21 5942,4634 6095.5,4480.5 J3.1@6095.5,4394.94
  Top Layer w50: U24.3@3596.14,2690.55 3603.5,2697.91 C70.2@3603.5,2830
  Top Layer w60: U24.3@3596.14,2690.55 4159.55,2690.55 4594,3125 5620,3125 5724,3229 ; 5728.25,3233.25 5728.25,3697.5 6030.56,3999.82 6030.56,4056.44 6030.56,4157 6030.56,4259.44 5953,4337 5953,4382
  Bottom Layer w40: J3.1@6095.5,4394.94 6095.5,4260.5 6095,4260 6095,4142 6116.45,4120.55 U8.3@6173.86,4120.55 6173.86,4219.64 C37.2@6170,4223.5 C37.2@6167.5,4226
A0: B1.3 B2.3 B3.3 B4.3 B5.3 B6.3 B7.3 B8.3 R13.2 U12.23 | length 5343.4
  Top Layer w10: R13.2@3050,1957.5 3050,1850 3030,1830 2840,1830 2705,1695 U12.23@2705,1640 2705,1575 2800,1480 3690,1480 3710,1460 3710,1235 B3.3@3640,1165
  Bottom Layer w10: B8.3@1465,1165 1514.16,1214.16 1850.84,1214.16 B7.3@1900,1165 1949.16,1214.16 2285.57,1214.16 B6.3@2334.72,1165 2383.88,1214.16 2720.57,1214.16 B5.3@2769.72,1165 2818.88,1214.16 3155.57,1214.16 B4.3@3204.72,1165 3254.16,1214.44 3590.56,1214.44 B3.3@3640,1165 3689.08,1214.08 4025.92,1214.08 B2.3@4075,1165 4123.91,1213.91 4461.09,1213.91 B1.3@4510,1165
A0_ADC: R28.1 R30.2 U14.13 | length 303.9
  Top Layer w20: U14.13@8012.8,2563 8012.8,2517.2 8050,2480 8092.5,2480 R30.2@8130,2442.5 R28.1@8240,2442.5
A0_ADC_MM: R37.1 R39.2 U19.13 | length 288.7
  Top Layer w10: U19.13@8082.8,1343 8082.8,1286.2 R37.1@8169,1200 R39.2@8169,1090
A1: B1.2 B2.2 B3.2 B4.2 B5.2 B6.2 B7.2 B8.2 R14.2 U12.24 | length 5700.5
  Top Layer w10: R14.2@3160,1957.5 3160,1880 3080,1800 2850,1800 2755,1705 U12.24@2755,1640 2755,1565 2820,1500 4120,1500 4140,1480 4140,1320 4085,1265 B2.2@4075,1265
  Bottom Layer w10: B8.2@1465,1265 1517.19,1317.19 1847.81,1317.19 B7.2@1900,1265 1952.19,1317.19 2282.53,1317.19 B6.2@2334.72,1265 2386.92,1317.19 2717.53,1317.19 B5.2@2769.72,1265 2820.3,1315.58 3154.14,1315.58 B4.2@3204.72,1265 3254.68,1314.95 3590.05,1314.95 B3.2@3640,1265 3689.11,1314.11 4025.89,1314.11 B2.2@4075,1265 4121.91,1311.91 4463.09,1311.91 B1.2@4510,1265
A1_ADC: R29.1 R31.2 U14.12 | length 244.1
  Top Layer w20: R31.2@7910,2442.5 R29.1@8020,2442.5 8020,2460 7987.2,2492.8 U14.12@7987.2,2563